# Altium PCB Watch Max.PcbDoc
Units mil, origin at the board's own origin, x right, y up, seen from the top; angles counter-clockwise.
Board outline 1130 x 1625 mil, 2 copper layers (Top Layer, Bottom Layer); 74 components, 52 nets, 317 pads, 82 vias.
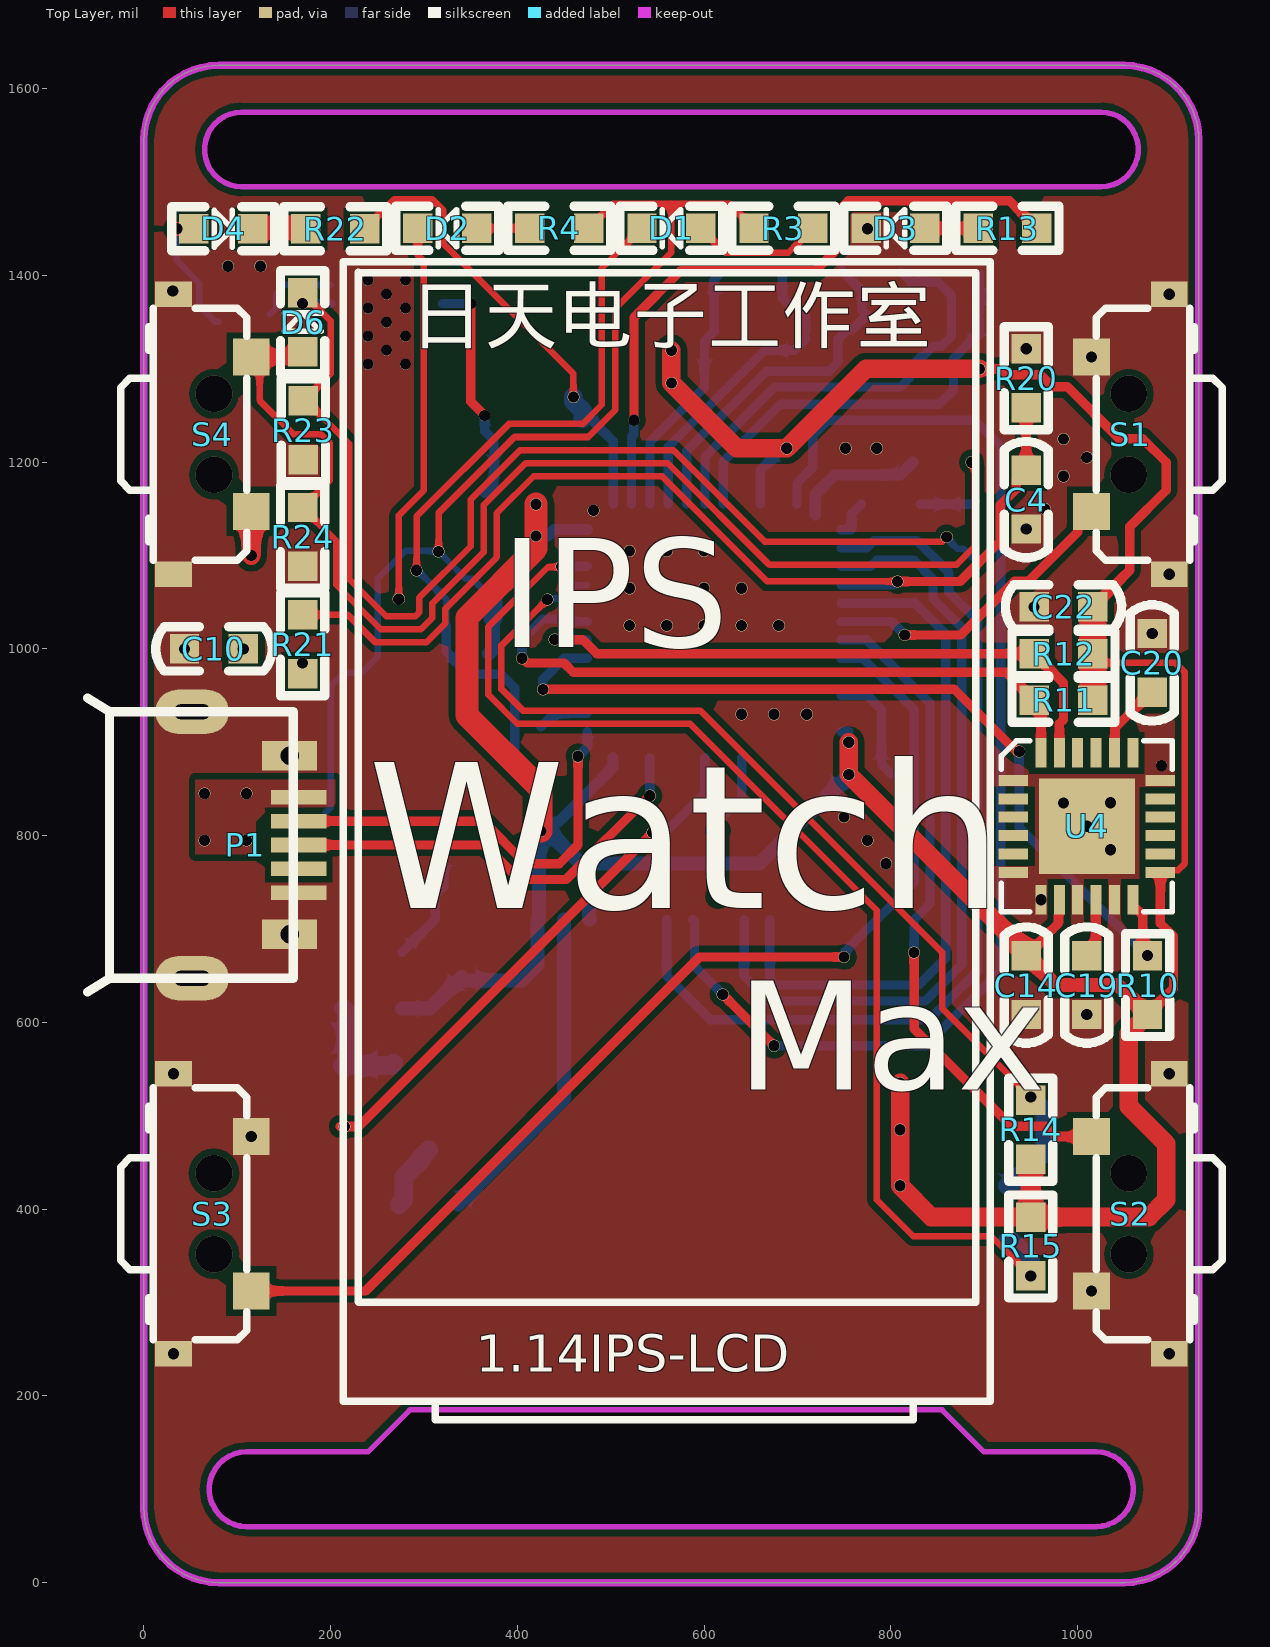
[diagram p0: Top Layer view]
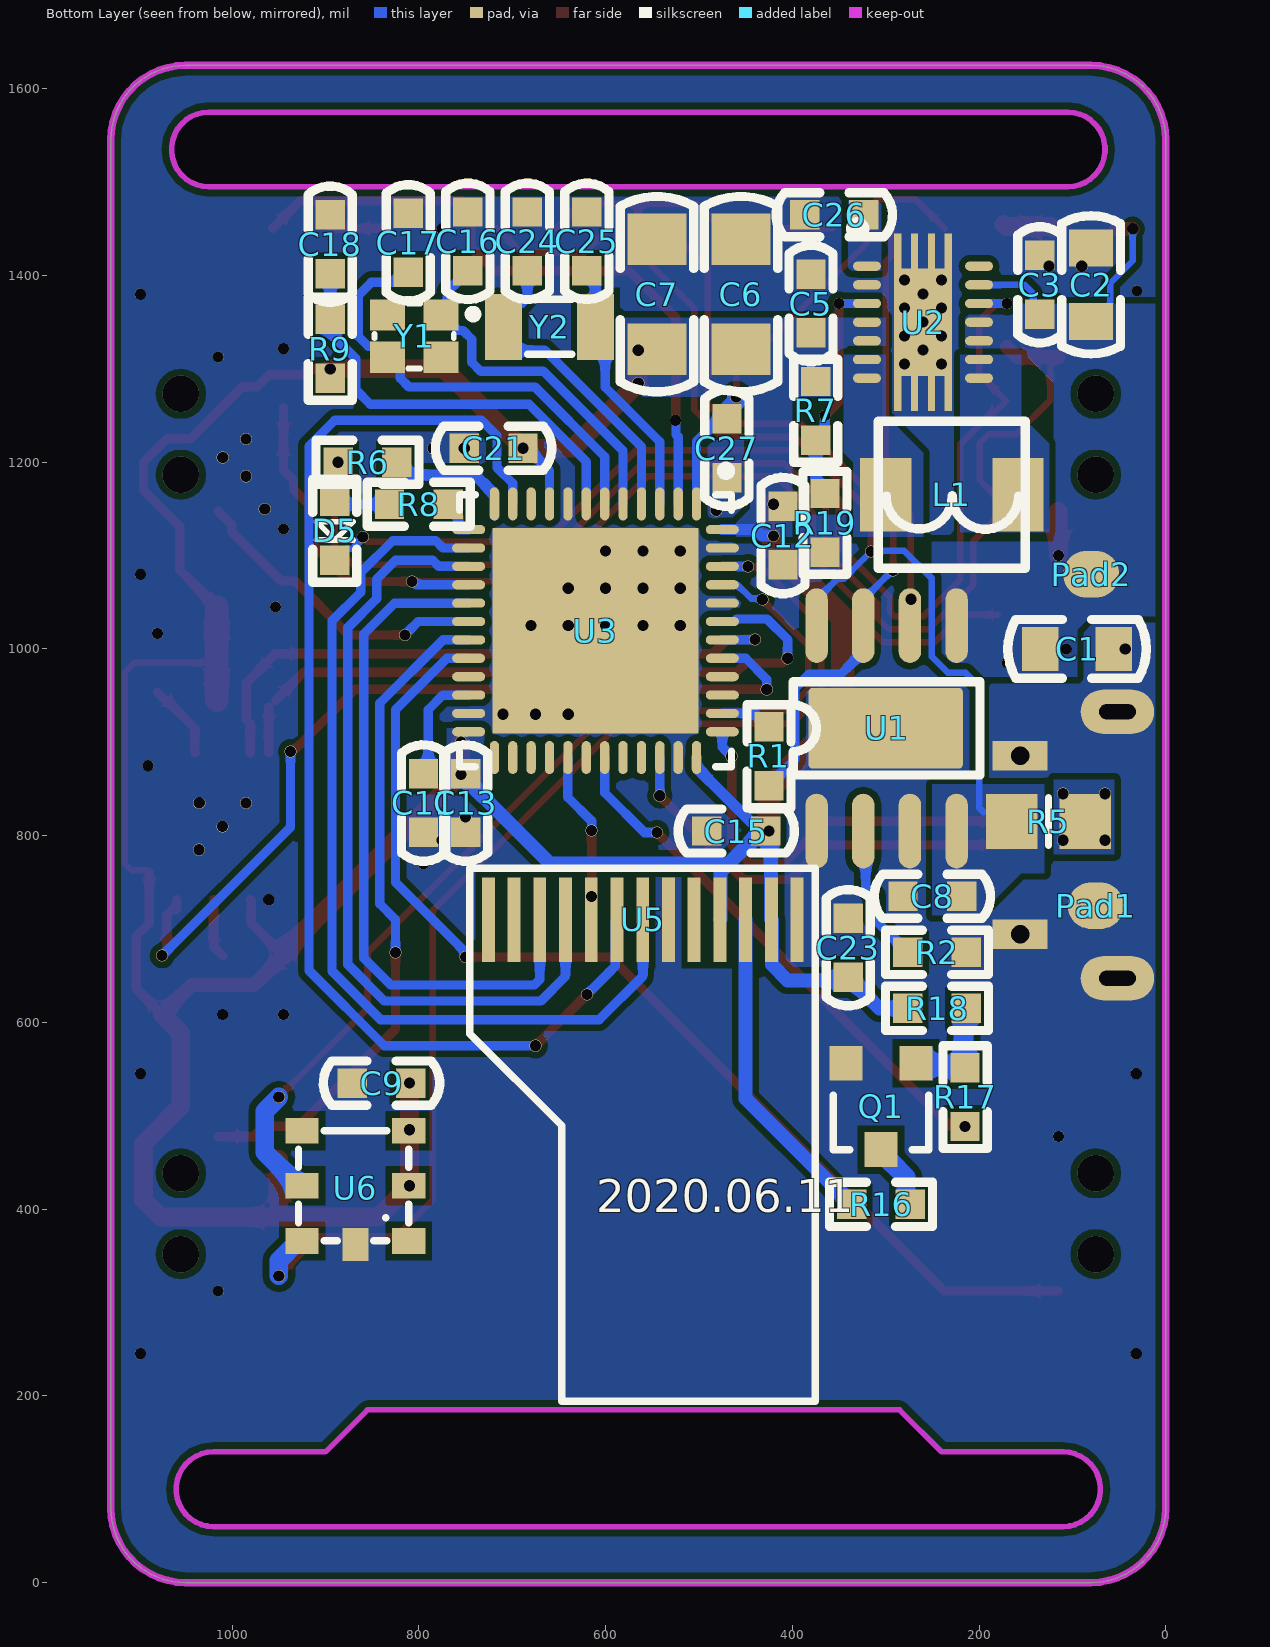
[diagram p1: Bottom Layer view, seen from below]
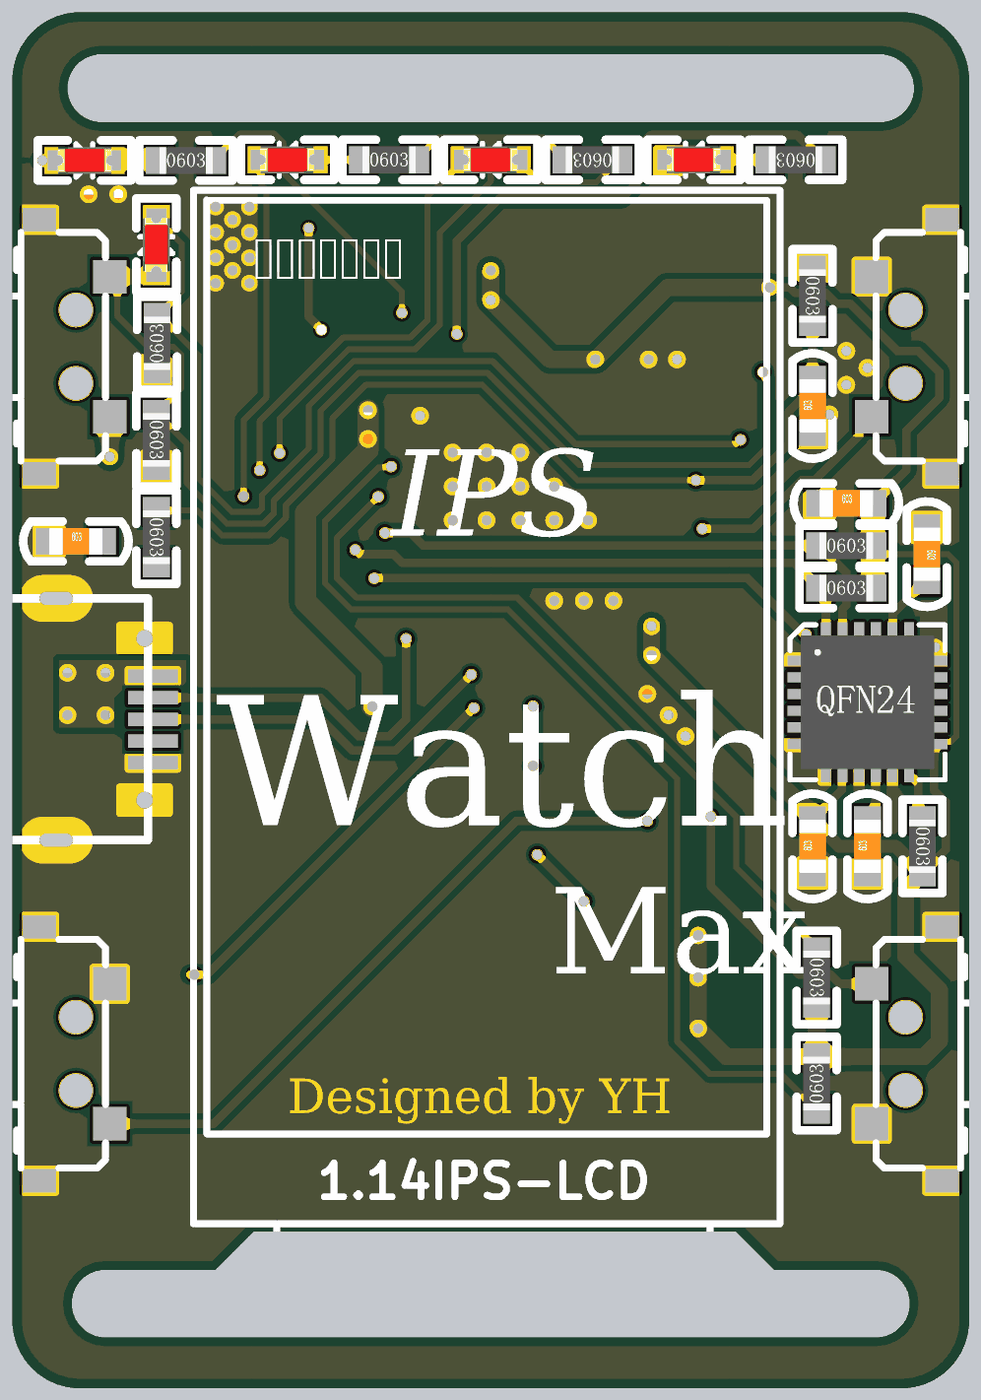
[diagram p2: 3D render of the assembled board from above, using the file's embedded part models]
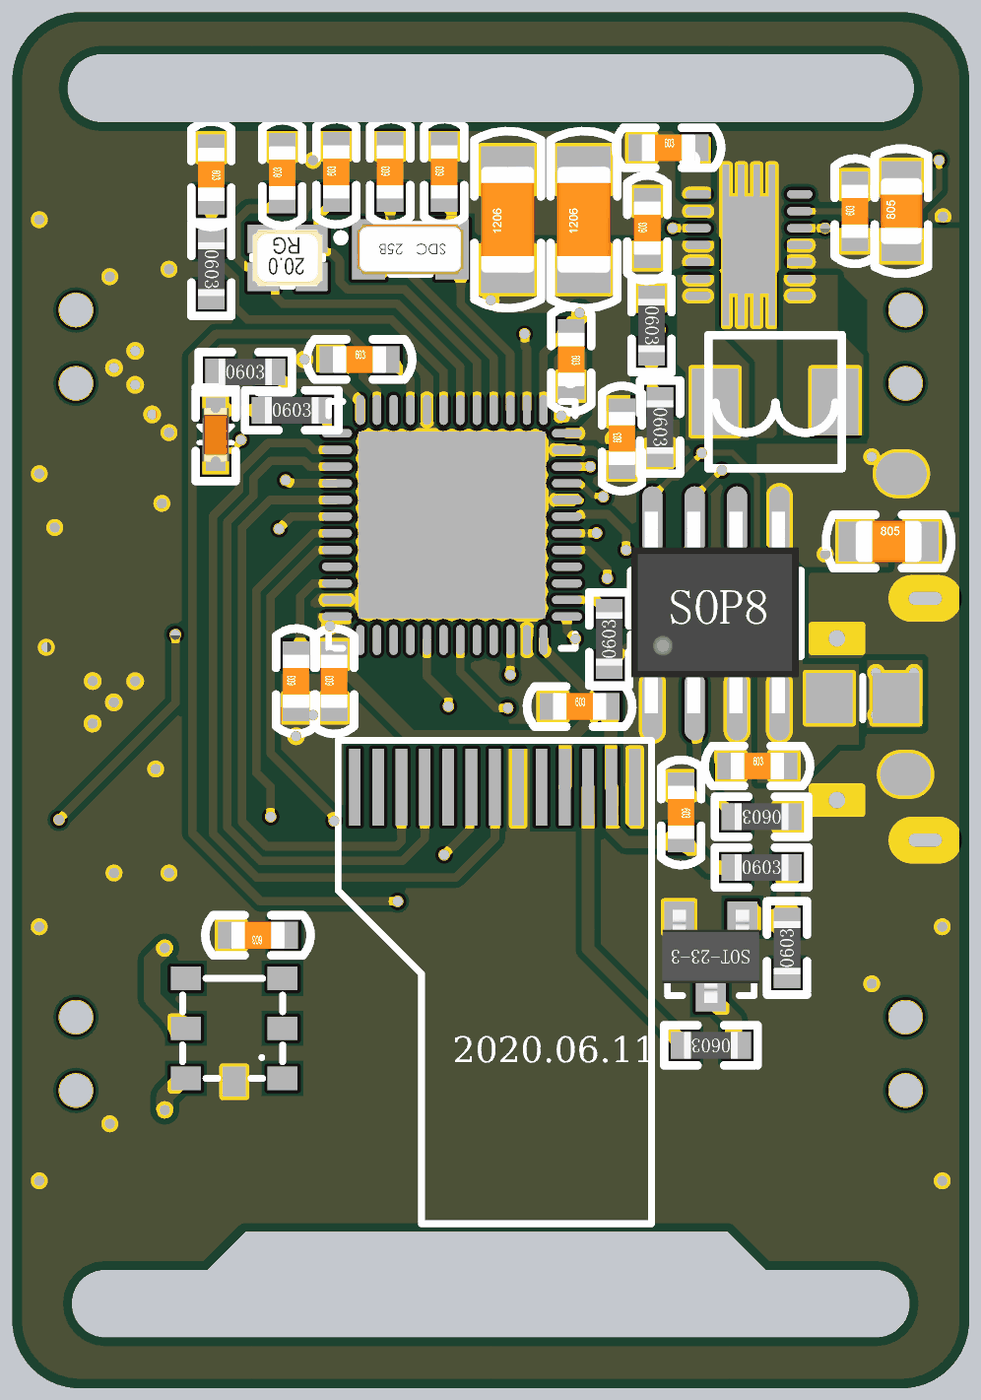
[diagram p3: 3D render of the assembled board from below, using the file's embedded part models]

## Layer stack, top to bottom
Top Solder: solder mask 0.4, Solder Resist, Dk 3.5
Top Layer: signal copper 1.4
Dielectric 1: dielectric 12.6, FR-4, Dk 4.8
Bottom Layer: signal copper 1.4
Bottom Solder: solder mask 0.4, Solder Resist, Dk 3.5

## Board outline
80,0 cw(c80,80) 0,80 0,1545 cw(c80,1545) 80,1625 1050,1625 cw(c1050,1545) 1130,1545 1130,80 cw(c1050,80) 1050,0
cut-out: 110,60 cw(c110,100) 110,140 240,140 285,185 855,185 900,140 1020,140 cw(c1020,100) 1020,60
cut-out: 105,1495.27 1025,1495.27 ccw(c1025,1535.27) 1025,1575.27 105,1575.27 ccw(c105,1535.27)

## Design rules (kind name [scope] priority, off if disabled: settings)
Clearance [All] p1: gap=7 ignorepadtopadclearanceinfootprint=FALSE except(0: Arc-Hole Track-Hole SMDPad-Hole THPad-Hole Via-Hole Fill-Hole Poly-Hole Region-Hole Text-Hole)
HoleSize [All] p1: absolutevalues=TRUE maxlimit=200 minlimit=12 maxpercent=80.000 minpercent=20.000
HoleToHoleClearance [All] p1: gap=12 allowstackedmicrovias=TRUE
MinimumSolderMaskSliver [All] p1: minsoldermaskwidth=12
PlaneConnect [All] p1: planeconnectstyle=Direct reliefexpansion=20 reliefentries=4 reliefconductorwidth=10 reliefairgap=10
PolygonConnect [All] p1: connectstyle=Direct reliefconductorwidth=10 reliefentries=4 polygonreliefangle="90 Angle" airgapwidth=10
RoutingVias [All] p1: holewidth=12 width=13 viastyle="Through Hole" minholewidth=12 minwidth=12 maxholewidth=200 maxwidth=200
SolderMaskExpansion [All] p1: expansion=4 istentingtop=FALSE
Width [All] p1: maxlimit=100 minlimit=7 preferedwidth=10
26 further rules are at their usual default settings.

## Components (designator, comment, footprint, x,y, rotation, side; value= is the part's Value field where it differs from the comment)
C1 "106" 电容_C0805 95,1000 r180 bottom
C2 "106" 电容_C0805 80,1390 r90 bottom
C3 "106" 电容_C0603 135,1390 r90 bottom
C4 "104" 电容_C0603 945,1160 r90 top
C5 "106" 电容_C0603 380,1370 r90 bottom
C6 "22uf" 电容_C1206 455,1380 r90 bottom
C7 "22uf" 电容_C1206 545,1380 r90 bottom
C8 "10uf" 电容_C0603 250,735 r180 bottom
C9 "104" 电容_C0603 840,535 r0 bottom
C10 "10uf" 电容_C0603 75,1000 r0 top
C11 "4.7uF" 电容_C0603 795,835 r90 bottom
C12 "1uF" 电容_C0603 410,1121.5 r90 bottom
C13 "1uF" 电容_C0603 750,835 r90 bottom
C14 "1uF" 电容_C0603 945,640 r90 top
C15 "1uF" 电容_C0603 460,805 r180 bottom
C16 "22pf" 电容_C0603 747.5,1436.5 r90 bottom
C17 "22pf" 电容_C0603 811.25,1435 r90 bottom
C18 "104" 电容_C0603 895,1433.5 r270 bottom
C19 "104" 电容_C0603 1010,640 r90 top
C20 "2.2nF" 电容_C0603 1080,985 r270 top
C21 "4.7uf" 电容_C0603 720,1215 r180 bottom
C22 "104" 电容_C0603 985,1045 r0 top
C23 "105" 电容_C0603 340,680 r270 bottom
C24 "22pf" 电容_C0603 683.75,1436.5 r90 bottom
C25 "22pf" 电容_C0603 620,1436.5 r90 bottom
C26 "104" 电容_C0603 355,1465 r180 bottom
C27 "104" 电容_C0603 470,1215 r270 bottom
D1 "red" LED_0603 565,1450.68 r180 top
D2 "green" LED_0603 325,1450.68 r180 top
D3 "red" LED_0603 805,1450.68 r180 top
D4 "1n4148" LED_0603 85,1450 r0 top
D5 "1n4148" LED_0603 890,1126.5 r270 bottom
D6 "1n4148" LED_0603 170,1350 r90 top
L1 "1.5uH" 变压器电感_0420 229.13,1165 r90 bottom
P1 "MICRO USB" "接插件_MICRO 牛角插座 USB 卷边" 160,790 r90 top
Pad1 "GND" Pad_A 75,725 r180 bottom
Pad2 "BAT" Pad_A 80,1080 r0 bottom
Q1 "S8050" 三极管_SOT-23 305,510 r0 bottom
R1 "2k" 电阻_R0603 425,885 r90 bottom
R2 "2k" 电阻_R0603 245,675 r0 bottom
R3 "2k" 电阻_R0603 685,1450.68 r180 top
R4 "2k" 电阻_R0603 445,1450.68 r0 top
R5 "2k" 6-0805_M 125.63,815 r180 bottom
R6 "20K" 电阻_R0603 855,1200 r180 bottom
R7 "1M" 电阻_R0603 375,1255 r270 bottom
R8 "4.7K" 电阻_R0603 800,1155 r180 bottom
R9 "47K" 电阻_R0603 895,1321.5 r270 bottom
R10 "10K" 电阻_R0603 1075,640 r270 top
R11 "10K" 电阻_R0603 985,945 r0 top
R12 "10K" 电阻_R0603 985,995 r0 top
R13 "1K" 电阻_R0603 925,1450.68 r180 top
R14 "4.7K" 电阻_R0603 950,485 r270 top
R15 "4.7K" 电阻_R0603 950,360 r90 top
R16 "10R" 电阻_R0603 305,405 r0 bottom
R17 "1K" 电阻_R0603 215,520 r90 bottom
R18 "20K" 电阻_R0603 245,615 r180 bottom
R19 "180K" 电阻_R0603 365,1135 r270 bottom
R20 "20k" 电阻_R0603 945,1290 r270 top
R21 "20k" 电阻_R0603 170,1005 r270 top
R22 "2k" 电阻_R0603 205,1450 r0 top
R23 "1M" 电阻_R0603 170.84,1234.16 r90 top
R24 "20K" 电阻_R0603 170,1120 r270 top
S1 "SW-PB" 侧面按键3*6*3.5#1 1055,1230 r270 top
S2 "SW-PB" 侧面按键3*6*3.5#2 1055,395 r90 top
S3 "SW-PB" 侧面按键3*6*3.5#2 75,395 r270 top
S4 "SW-PB" 侧面按键3*6*3.5#1 75,1230 r90 top
U1 "TP4056" SOP-8_PAD 300,915 r90 bottom
U2 "TPS63020" TPS63020 260,1350 r270 bottom
U3 "STM32F401CCU6" STM-UFQFPN48_N 610.83,1019.53 r270 bottom locked
U4 "MPU-6050" 陀螺仪_QFN24 1010,810 r0 top
U5 "IPS-LCD" 1.14IPS-LCD -116.93,446.22 r270 top locked
U6 "BMP180" LGA-7 1007.68,326.57 r270 bottom
Y1 "XTAL" 晶振_2016 805,1335 r0 bottom
Y2 "32.768K" 晶振_3215 660,1345 r0 bottom

## Footprints (in the part's own frame and the unit in brackets; to place one, negate y for a bottom-side part, rotate by r counter-clockwise, add the part's x,y. Pads: shape width x height; smd on the part's side, far side on the other; paste and mask are expansions set on the pad)
1.14IPS-LCD [mm] "1.14寸IPS-LCD裸屏SPI接口"
  rect 2.3x0.35 smd far side: 1(-6.7,21.4) 2(-6.7,20.7) 3(-6.7,20) 4(-6.7,19.3) 5(-6.7,18.6) 6(-6.7,17.9) 7(-6.7,17.2) 8(-6.7,16.5) 9(-6.7,15.8) 10(-6.7,15.1) 11(-6.7,14.4) 12(-6.7,13.7) 13(-6.7,13)
  silkscreen extent -24.6,8.4 6.9,26
6-0805_M [mm] "Chip Resistor, Body 2.0x1.2mm, IPC Low Density"
  rect 1.4x1.5 smd: 1(-1,0) 2(1,0)
  silkscreen extent 0,-0.65 0,0.65, body extent -1.07,-0.7 1.07,0.7, height 0.7
LED_0603 [mm]
  rect 0.8x0.8 smd paste-0.1: A(-0.8,0) K(0.8,0)
  silkscreen extent -1.4,-0.6 1.4,0.6, body extent -0.8,-0.4 0.82,0.4, height 0.6
LGA-7 [mm] "LGA-7Pin"
  rect 0.7x0.9 smd: 1(-1,5) 2(-2.5,5) 3(-4,5) 4(-4,2.1) 5(-2.5,2.1) 6(-1,2.1)
  rect 0.9x0.7 smd: 7(-0.9,3.55)
  silkscreen extent -4,2 -1,5
Pad_A [mil]
  oval 60x50 smd: 1(0,0)
SOP-8_PAD [mil]
  oval 80x24 smd: 1(-110,74) 2(-110,24) 3(-110,-26) 4(-110,-76) 5(110,-76) 6(110,-26) 7(110,24) 8(110,74)
  rrect10% 86.61x165.35 smd: 3(0,0)
  silkscreen extent -50,-101 50,99, body extent -118,-99 120,99, height 63
STM-UFQFPN48_N [mm] "QFN, 48-Leads, Body 7.1x7.1mm, Pitch 0.5mm, Thermal Pad 5.6x5.6mm, IPC Medium Density"
  oval 0.9x0.25 smd: 1(-3.45,2.75) 2(-3.45,2.25) 3(-3.45,1.75) 4(-3.45,1.25) 5(-3.45,0.75) 6(-3.45,0.25) 7(-3.45,-0.25) 8(-3.45,-0.75) 9(-3.45,-1.25) 10(-3.45,-1.75) 11(-3.45,-2.25) 12(-3.45,-2.75) 25(3.45,-2.75) 26(3.45,-2.25) 27(3.45,-1.75) 28(3.45,-1.25) 29(3.45,-0.75) 30(3.45,-0.25) 31(3.45,0.25) 32(3.45,0.75) 33(3.45,1.25) 34(3.45,1.75) 35(3.45,2.25) 36(3.45,2.75)
  oval 0.25x0.9 smd: 13(-2.75,-3.45) 14(-2.25,-3.45) 15(-1.75,-3.45) 16(-1.25,-3.45) 17(-0.75,-3.45) 18(-0.25,-3.45) 19(0.25,-3.45) 20(0.75,-3.45) 21(1.25,-3.45) 22(1.75,-3.45) 23(2.25,-3.45) 24(2.75,-3.45) 37(2.75,3.45) 38(2.25,3.45) 39(1.75,3.45) 40(1.25,3.45) 41(0.75,3.45) 42(0.25,3.45) 43(-0.25,3.45) 44(-0.75,3.45) 45(-1.25,3.45) 46(-1.75,3.45) 47(-2.25,3.45) 48(-2.75,3.45)
  rect 5.6x5.6 smd: 49(0,0)
  silkscreen extent -4.47,-3.7 3.7,3.7, body extent -3.55,-3.55 3.55,3.55, height 0.6
TPS63020 [mil] "High Efficiency Single Inductor Buck-Boost Converter With 4-A Switches"
  oval 10x30 smd: 1(-60,-60) 2(-40,-60) 3(-20,-60) 4(0,-60) 5(20,-60) 6(40,-60) 7(60,-60) 8(60,60) 9(40,60) 10(20,60) 11(0,60) 12(-20,60) 13(-40,60) 14(-60,60)
  rect 50x7.87 smd: 15(-70,-27.17) 15(-70,-9.06) 15(-70,9.06) 15(-70,27.17) 15(70,-27.17) 15(70,-9.06) 15(70,9.06) 15(70,27.17)
  round 11.81 hole 11.81: 15(-45,-20) 15(-45,20) 15(-30,0) 15(-15,-20) 15(-15,20) 15(0,0) 15(15,-20) 15(15,20) 15(30,0) 15(45,-20) 15(45,20)
  rect 115x62.2 smd: 15(0,0)
  silkscreen extent -105,-75 -95,-65, body extent -85,-65 85,65, height 30
三极管_SOT-23 [mm]
  rect 0.9x0.95 smd: 1(-0.95,-1.175) 2(0,1.175) 3(0.95,-1.175)
  silkscreen extent -1.3,-0.3 1.3,1.18, body extent -1.45,-1.4 1.45,1.4, height 1.2
侧面按键3*6*3.5#1 [mm] "白色3*6*3.5"
  rect 1x1 smd: 1(-2.1,-1.016) 2(2.1,-1.016)
  rect 0.7x1 smd: 4(-3.81,1.1) 5(3.81,1.1)
  silkscreen extent -3.43,-0.89 3.43,2.54, body extent -3.43,-0.89 3.43,1.65, height 4
侧面按键3*6*3.5#2 [mm] "白色3*6*3.5"
  rect 1x1 smd: 1(-2.1,1.016) 2(2.1,1.016)
  rect 0.7x1 smd: 4(-3.81,-1.1) 5(3.81,-1.1)
  silkscreen extent -3.43,-2.54 3.43,0.89, body extent -3.43,-1.65 3.43,0.89, height 4
变压器电感_0420 [mm]
  rect 2x1.4 smd: 1(0,-1.8) 2(0,1.8)
  silkscreen extent -2,-2 2,2
"接插件_MICRO 牛角插座 USB 卷边" [mm]
  oval 1.2x2 hole 0.4 slot 1 at 90 deg: 0(-3.625,2.75) 0(3.625,2.75)
  rect 0.8x1.5 hole 0.5: 0(-2.425,0.1) 0(2.425,0.1)
  rect 0.4x1.5 smd: 1(1.3,-0.15) 2(0.65,-0.15) 3(0,-0.15) 4(-0.65,-0.15) 5(-1.3,-0.15)
  silkscreen extent -4,0 4,5.6
晶振_2016 [mm]
  rect 0.95x0.85 smd: 0(-0.725,0.575) 0(0.725,-0.575) 1(-0.725,-0.575) 2(0.725,0.575)
  silkscreen extent -1.7,-0.88 1.08,0.88, body extent -1.05,-0.85 1.05,0.85, height 0.56
晶振_3215 [mm] "XTAL SMD 3.2 x 1.5 mm"
  rect 1x1.8 smd: 1(-1.25,0) 2(1.25,0)
  silkscreen extent -0.6,-0.75 0.6,0.75, body extent -1.6,-0.75 1.6,0.75, height 0.81
电容_C0603 [mm]
  rect 0.8x0.8 smd: 1(-0.8,0) 2(0.8,0)
  silkscreen extent -1.58,-0.6 1.58,0.6, body extent -0.8,-0.4 0.8,0.4, height 0.3
电容_C0805 [mm]
  rect 1x1.2 smd: 1(-1,0) 2(1,0)
  silkscreen extent -1.88,-0.8 1.88,0.8, body extent -1,-0.62 1,0.63, height 0.77
电容_C1206 [mm]
  rect 1.4x1.6 smd: 1(-1.5,0) 2(1.5,0)
  silkscreen extent -2.66,-1 2.66,1, body extent -1.6,-0.8 1.6,0.8, height 1
电阻_R0603 [mm]
  rect 0.8x0.8 smd: 1(-0.8,0) 2(0.8,0)
  silkscreen extent -1.4,-0.6 1.4,0.6, body extent -0.8,-0.4 0.8,0.4, height 0.45
陀螺仪_QFN24 [mm]
  rect 2.6x2.6 smd: 0(0.005,0)
  rect 0.8x0.3 smd: 1(-2,1.25) 2(-2,0.75) 3(-2,0.25) 4(-2,-0.25) 5(-2,-0.75) 6(-2,-1.25) 13(2,-1.25) 14(2,-0.75) 15(2,-0.25) 16(2,0.25) 17(2,0.75) 18(2,1.25)
  rect 0.3x0.8 smd: 7(-1.25,-2) 8(-0.75,-2) 9(-0.25,-2) 10(0.25,-2) 11(0.75,-2) 12(1.25,-2) 19(1.25,2) 20(0.75,2) 21(0.25,2) 22(-0.25,2) 23(-0.75,2) 24(-1.25,2)
  silkscreen extent -2.32,-2.32 2.32,2.32, body extent -2,-2 2.01,2, height 0.9

## Part data
C1 C2 C3 C4 C5 C6 C7 C8 C9 C10 C11 C12 C13 C14 C15 C16 C17 C18 C19 C20 C21 C22 C23 C24 C25 C26 C27: library part cap, U=50V, 参数=Cap,0805,X7R,104K,50V,125C,±10%
  C1 C2 C3 C5: C=106
  C4 C9 C18 C19 C22 C26 C27: C=104
  C6 C7: C=22uf
  C8 C10: C=10uf
  C11: C=4.7uF
  C12 C13 C14 C15: C=1uF
  C16 C17 C24 C25: C=22pf
  C20: C=2.2nF
  C21: C=4.7uf
  C23: C=105
D1 D2 D3: library part LED, 参数=LED,0603,Red
D4 D5 D6: library part Diode, "Default Diode", Code_JEDEC=DO-214-AB, LatestRevisionDate=17-Jul-2002, LatestRevisionNote="Re-released for DXP Platform.", PackageDescription="DO-214-AB/SMC; 2 C-Bend Leads; Body 7.9 x 5.9 mm, inc. leads (LxW)", PackageReference=SMC, PackageVersion=Sep-1996, Published=8-Jun-2000, Publisher="Altium Limited"
L1: library part "Inductor Iron 2", _Current=10A, _Accuracy=20%, _Comma=,, _Footprint=1040, _Name=IND, _Specification=IND,1040,1.5uH,10A,20%, _Value=1.5uH
P1: library part "MICRO USB 5PIN", _Value=5PIN, _Comma=,, _Model="MICRO USB", _Name=Port, _Specification="Port,MICRO USB,5PIN"
Pad1 Pad2: library part Pad, _Comma=,, _Funcyusa=Test, _Name=Pad
  Pad1: _Remarks=GND, _Specification=Pad,Test,GND
  Pad2: _Remarks=BAT, _Specification=Pad,Test,BAT
Q1: library part Triode-NPN, _Current=500mA, _Voltage=40V, _Comma=,, _Footprint=SOT-23, _Model=S8050, _Name=Triode, _Polarity=NPN, _Specification=Triode,NPN,S8050,SOT-23,500mA,40V
R1 R2 R3 R4 R5 R6 R7 R8 R9 R10 R11 R12 R13 R14 R15 R19 R20 R21 R22 R23 R24: library part Res, P=1/8W, 参数=Res,0805,0R,±1%,1/8W,100ppm,155C
  R1 R2 R3: R=2k
  R4 R22: R=10k
  R5: R=0R
  R6 R24: R=20K
  R7 R23: R=1M
  R8 R14 R15: R=4.7K
  R9: R=47K
  R10 R11 R12: R=10K
  R13: R=1K
  R19: R=180K
  R20 R21: R=20k
R16 R17 R18: library part Res, _Power=1/8W, _Accuracy=1%, _Comma=,, _Drift=100ppm, _Footprint=0805, _Name=Res
  R16: _Specification=Res,0805,10R,1%,1/8W,100ppm, _Value=10R
  R17: _Specification=Res,0805,1K,1%,1/8W,100ppm, _Value=1K
  R18: _Specification=Res,0805,20K,1%,1/8W,100ppm, _Value=20K
S1 S2 S3 S4: "按键"
U3: "ARM Cortex-M4 32-bit MCU+FPU, 105 DMIPS, 256 kB Flash, 64 kB Internal RAM, 36 I/Os, 48-pin UFQFPN, -40 to 85 degC, Tray", I/Os (High Current)=36, Manufacturer=STMicroelectronics, Operating Frequency(F) (Processor speed) (MHz)=84, Supplier Part Number 1=19X6217, Supply Voltage(Vcc) max (V)=3.6, Supply Voltage(Vcc) min (V)=1.8, ComponentLink1Description="Manufacturer URL", ComponentLink1URL=http://www.st.com/web/en/home.html, ComponentLink2Description=Datasheet, ComponentLink2URL=http://www.st.com/st-web-ui/static/active/en/resource/technical/document/data_brief/DM00071938.pdf, ComponentLink3Description="Package Specification", ComponentLink3URL=http://www.st.com/st-web-ui/static/active/en/resource/technical/document/data_brief/DM00071938.pdf, Core="ARM Cortex-M4", DatasheetVersion="Rev. 1", FLASH Size (Prog) (kB)=256, Internal RAM Size (kB)=64, Mounting Technology="Surface Mount", PackageDescription="48-Pin Ultra Thin Fine Pitch Quad Flat No-Lead, 7 x 7 x 0.6 mm Body, 0.5 mm Pitch, Exposed Pad", PackageReference=UFQFPN48, PackageVersion="Rev. 1, 04/2013", Packing=Tray, PartNumber=STM32F401CCU6, Supplier 1=Newark, Supplier 2=Mouser, Supplier Part Number 2=511-STM32F401CCU6
U5: library part IPS-LCD-1.14, "IPS-LCD-1.14寸裸屏spi接口"
U6: "数字气压传感器"
Y2: library part XTAL_A, _Accuracy=10ppm, _CL=12pF, _Comma=,, _Frequency=32.768K, _Name=CRYSTALS, _Specification=CRYSTALS,32.768K,*,10ppm,12pF
U1: 参数="Charge Control,LP4056,ESOP-8"
Y1: F=25m

## Free pads (board coordinates)
  round 12 hole 12: 1(30.87,1383.46) 1(31.69,245) 1(31.69,545) 1(35.44,1450) 1(43.5,1000) 1(106.5,1000) 1(115,477.68) 1(115,1100) 1(170,985) 1(170,1370) 1(350,1370) 1(365,1250) 1(525,1245) 1(775,1450) 1(945,608.5) 1(945,1128.5) 1(945,1321.5) 1(953.5,1045) 1(960.79,731.26) 1(1010,608.5) 1(1015,312.32) 1(1015,1312.68) 1(1080,1016.5) 1(1090,875) 1(1098.31,245) 1(1098.31,545) 1(1098.31,1080) 1(1098.31,1380)

## Via types
v1: diameter 13, hole 12, Top Layer to Bottom Layer, 74 vias
v2: diameter 39.37, hole 39.37, Top Layer to Bottom Layer, 8 vias

## Nets (pads, with @x,y where several pads share a name; then routed paths per layer and width w, separated by ;. In a path a pad name is that pad's centre, name@x,y a point inside that pad or via, vN(x,y) a via of type N, cw(c..) or ccw(c..) an arc to the next point about the centre after c; other vN are vias at no path point)
3V3: C5.1 C6.1 C7.1 C9.1 C12.2 C13.2 C14.2 C15.2 C21.2 C22.2 C23.2 R7.1 R9.2 R10.2 R11.2 R12.2 R14.2 R15.2 R18.1 U2.4 U2.5 U3.9 U3.24 U3.36 U3.48 U4.8 U4.13 U5.10 U5.12 U6.2 U6.3 | length 4102.1
  Top Layer w7: R12.2 1026.5,985 1105,985 1114.99,975.01 1114.99,770.22 1107.96,763.19 1091.15,763.19 U4.13
  Top Layer w10: v1(895,1300) 918.03,1300 924.28,1293.75 960.29,1293.75 973.04,1280.99 989.01,1280.99 1045,1225 1070,1225 1095,1200 1095,1170 1056.12,1131.12 1056.12,1084.63 C22.2 ; C14.2 979.57,706.06 979.57,730.35 U4.8 ; R10.2 1102.75,636.25 1102.75,692.21 1088.74,706.22 U4.13
  Top Layer w15: C14.2 976.5,640 1043.5,640 R10.2
  Top Layer w20: v1(565,1320) v1(565,1285) 635,1215 v1(688.5,1215) 773.5,1300 v1(895,1300) ; v1(755,900) v1(755,865.51) 939.25,681.26 939.25,677.24 C14.2 ; v1(810,535) v1(810,485) v1(810,425) 843.5,391.5 R15.2 ; R14.2 R15.2 ; R10.2 1055,588.5 1055,510 1095,470 1095,410 1076.5,391.5 R15.2
  Top Layer w25: v1(420,1155) v1(420,1121) 420,1107.53 346,1033.53 346,929 425,850 v1(425,805) ; R11.2 1016.5,985 R12.2 C22.2
  Bottom Layer w10: U3.9 660.04,1191.04 674.5,1205.5 674.69,1205.5 C21.2@679.59,1210.41 ; U3.24 755.09,911.26 U3.24@755.17,911.18
  Bottom Layer w12: v1(420,1121) 420.19,1121.19 432.68,1121.19 439.28,1127.8 U3.48 ; C15.2 434.5,805 434.5,810.99 438.25,814.75 444.24,814.75 502.56,873.06 U3.36
  Bottom Layer w15: R18.1 306.5,615 C23.2 343.5,645 405,645 421.83,661.83 421.83,709.39 U5.12 423.05,710.61 C15.2@423.05,794.55 ; C15.2@438.16,800 463.41,774.75 464.16,774 476.95,761.21 476.95,710.61 U5.10 ; 468.16,770 659.49,770 v1(755,865.51)
BAT: C1.1 C2.1 C3.1 C10.2 D4.A Pad2.1 pad.1@35.44,1450 pad.1@106.5,1000 pad.1@115,1100 pad.1@170,985 R21.2 S4.1 U1.5 U2.10 U2.11 U2.13 | length 272.4
  Top Layer w15: pad.1@35.44,1450 D4.A
  Top Layer w20: pad.1@115,1100 S4.1
  Bottom Layer w7: pad.1@35.44,1450 35.44,1415.78 59.4,1391.82 59.4,1370.92 59.88,1370.44 59.88,1366.82 76.06,1350.63 C2.1 ; C3.1 142.01,1365.51 142.01,1380.65 151.36,1390 U2.13
BAT_CHG: R1.2 U3.38 | length 56
  Bottom Layer w10: R1.2 439.45,930.94 U3.38
BAT_DET: C4.2 R20.2 R21.1 U3.16 | length 1141.4
  Top Layer w7: R21.1@180,1036.5 218.5,1036.5 248,1007 302.5,1007 323,1027.5 323,1043.05 378,1098.05 378,1145.53 417.47,1185 555,1185 667.68,1072.32 v1(807.32,1072.32)
  Top Layer w10: v1(807.32,1072.32) 874.24,1072.32 917.25,1115.33 917.25,1154.14 934.25,1171.14 934.25,1180.75 C4.2 R20.2
  Bottom Layer w10: U3.16 802.93,1068.74 806.51,1072.32 v1(807.32,1072.32)
BMP180_SCL: R14.1 U3.45 U6.5 | length 1068.9
  Top Layer w7: v1(432.12,1052.88) 383,1003.76 383,957 406,934 596,934 855,675 855,615 v1(950,520)
  Bottom Layer w7: v1(432.12,1052.88) 433.27,1054.03 444.03,1054.03 458.2,1068.2 474.46,1068.2 U3.45
  Bottom Layer w20: U6.5 928.94,425 965,461.06 965,505 v1(950,520)
BMP180_SDA: R15.1 U3.46 U6.6 | length 1276.2
  Top Layer w7: v1(447.39,1088.43) 446.55,1087.58 432.58,1087.58 369,1024 369,951 400,920 585,920 785,720 785,410 824,371 907.51,371 v1(950,328.5)
  Bottom Layer w10: v1(447.39,1088.43) U3.46
  Bottom Layer w20: U6.6 928.94,365.94 950,344.88 v1(950,328.5)
CPOUT: C20.2 U4.20 | length 82.4
  Top Layer w10: U4.20 1040,889.21 1040,915 1067.76,942.76 1069.25,942.76 C20.2
EN: R6.2 U3.12 | length 140.7
  Bottom Layer w12: U3.12@719.09,1143.84 719.09,1165.99 721.25,1168.15 721.6,1168.15 731.25,1177.8 731.25,1177.92 739.59,1186.25 809.76,1186.25 R6.2
GND: C1.2 C2.2 C3.2 C4.1 C5.2 C6.2 C7.2 C8.1 C9.2 C10.1 C11.1 C12.1 C13.1 C14.1 C15.1 C16.2 C17.2 C18.1 C19.1 C20.1 C21.1 C22.1 C23.1 C24.2 C25.2 C26.1 C27.2 D3.K P1.0 P1.5 Pad1.1 pad.1@30.87,1383.46 pad.1@31.69,245 pad.1@31.69,545 pad.1@43.5,1000 pad.1@115,477.68 pad.1@775,1450 pad.1@945,608.5 pad.1@945,1128.5 pad.1@945,1321.5 pad.1@953.5,1045 pad.1@960.79,731.26 pad.1@1010,608.5 pad.1@1015,312.32 pad.1@1015,1312.68 pad.1@1080,1016.5 pad.1@1090,875 pad.1@1098.31,245 pad.1@1098.31,545 pad.1@1098.31,1080 pad.1@1098.31,1380 Q1.3 R2.1 R19.2 R20.1 R23.1 R24.2 S1.1 S1.4 S1.5 S2.1 S2.4 S2.5 S3.1 S3.4 S3.5 S4.4 S4.5 U1.1 U1.3 U2.2 U2.15 U3.8 U3.23 U3.35 U3.44 U3.47 U3.49 U4.0 U4.1 U4.6 U4.7 U4.9 U4.11 U4.18 U5.8 U5.13 U6.7
  other v1: 795,770 1035.36,784.99 775,795 1010.18,809.99 750,820 985,835 1035.19,835.18 640,930 675,930 710,930 520,1025 560,1025 600,1025 640,1025 680,1025 520,1065 560,1065 600,1065 640,1065 520,1105 560,1105 600,1105 481.54,1148.46 965,1150 985,1185 1010,1205 751.5,1215 785,1215 985,1225 90,1410 125,1410
KEY1: S1.2 U3.18 | length 333.4
  Top Layer w10: v1(815,1015) 875,1015 932.75,1072.75 947.75,1072.75 1000.31,1125.31 1000.31,1132.64 S1.2
  Bottom Layer w10: U3.18 800.63,1029.37 v1(815,1015)
KEY2: S2.2 U3.19 | length 717.1
  Top Layer w10: v1(825,675) 825,593.03 929.28,488.75 966.04,488.75 977.11,477.68 S2.2
  Bottom Layer w10: U3.19 774.15,1009.68 842,941.84 842,727 825,710 v1(825,675)
KEY3: S3.2 U3.20 | length 1180.2
  Top Layer w10: S3.2 237.32,312.32 595,670 v1(750,670)
  Bottom Layer w10: U3.20 746.73,989.92 769.87,989.92 825,934.8 825,750 750.57,675.57 750.57,670.57 v1(750,670)
LED: pad.1@525,1245 R13.1 U3.2 | length 719.6
  Top Layer w10: pad.1@525,1245 525,1355 575,1405 719.28,1405 744.24,1429.96 744.24,1469.89 754.35,1480 927.18,1480 R13.1
  Bottom Layer w10: U3.2 522.24,1227.24 524.62,1229.62 524.62,1244.62 pad.1@525,1245
MPU6050_INT: R10.1 U3.41 U4.12 | length 950
  Top Layer w10: v1(427.34,956.5) 427.76,956.92 868.08,956.92 935,890 v1(937.5,890) ; U4.12 1059.21,721.42 1060.12,720.51 1064.14,720.51 1070,714.65 1070,676.5 v1(1075,671.5)
  Bottom Layer w10: v1@427.36,956.52 427.36,967.34 449.94,989.92 474.92,989.92 U3.41 ; v1(937.5,890) 937.5,809 v1(1075,671.5)
MPU6050_SCL: R12.1 U3.42 U4.23 | length 676
  Top Layer w10: v1(440,1010) 470,1010 485,995 R12.1 985,963.5 985,924.51 980.47,919.98 U4.23
  Bottom Layer w10: v1(440,1010) 440.24,1009.76 474.92,1009.76 U3.42
MPU6050_SDA: R11.1 U3.43 U4.24 | length 716.4
  Top Layer w10: v1(405,990) 405.81,990 410.81,985 450,985 460,975 923.5,975 R11.1 ; U4.24 R11.1@960.79,937.72
  Bottom Layer w10: v1(405,990) 405,1010 427.13,1032.13 459.6,1032.13 462.36,1029.37 U3.43
NetC26_2: C26.2 U2.1
NetC27_1: C27.1 R22.2 U3.1 | length 500.4
  Top Layer w7: R22.2 268,1481.5 309.03,1481.5 320.39,1470.14 320.39,1434.61 460,1295 v1(460,1270)
  Bottom Layer w10: C27.1@470,1255 502.56,1222.44 U3.1
  Bottom Layer w20: v1(460,1270) 460,1265 470,1255 C27.1
NetD1_A: D1.A R3.1 | length 141.7
  Top Layer w7: D1.A 622.74,1424.44 690.25,1424.44 R3.1
NetD1_K: D1.K R1.1 U1.7 | length 819.1
  Top Layer w7: v1(292.1,1084.19) 292.1,1142.1 391,1241 470.04,1241 490.5,1261.46 490.5,1407.68 D1.K
  Bottom Layer w7: v1(292.1,1084.19) 292.81,1084.19 324,1053 U1.7
  Bottom Layer w10: U1.7 324,997 348,973 382.42,973 397.25,958.17 397.25,881.25 R1.1
NetD2_A: D2.A R4.1 | length 57
  Top Layer w7: D2.A R4.1
NetD2_K: D2.K U1.6 | length 411.2
  Top Layer w7: v1(273,1053.32) 273,1143 300,1170 300,1415 293.5,1421.5 D2.K
NetD3_A: D3.A R13.2 | length 57
  Top Layer w10: D3.A R13.2
NetD4_K: D4.K R22.1 | length 55.1
  Top Layer w20: D4.K@120.43,1450 122.93,1452.5 171,1452.5 R22.1@173.5,1455
NetD5_A: D5.A R8.1 | length 59.7
  Bottom Layer w10: R8.1 887.01,1155 D5.A
NetD5_K: D5.K D6.K pad.1@170,1370 R23.2 U2.12 | length 1231.5
  Top Layer w7: D6.K@170,1370 181.5,1370 200,1351.5 200,1294.81 R23.2 183.09,1253.41 186.24,1253.41 220,1219.65 220,1074.6 259.6,1035 290.9,1035 295,1039.1 295,1055 350,1110 350,1160 403,1213 567,1213 665,1115 855,1115 v1(860,1120)
  Bottom Layer w7: v1(860,1120) 860,1118.41 871.17,1107.25 877.75,1107.25 D5.K
  Bottom Layer w10: pad.1@170,1370 U2.12
NetD6_A: D6.A R6.1 R24.1 S4.2 | length 1343.7
  Top Layer w7: S4.2 123.94,1303.73 123.94,1266.21 160.15,1230 189.85,1230 199.29,1220.56 199.29,1180.79 171.75,1153.25 R24.1 206,1115.5 206,1068.8 253.8,1021 296.7,1021 309,1033.3 309,1048.85 364,1103.85 364,1154.2 408.8,1199 561.2,1199 670.2,1090 870,1090 890,1110 890,1194.87 886.5,1198.38 v1(886.5,1200)
  Top Layer w15: S4.2 159.17,1312.68 D6.A@170,1323.5
NetL1_1: L1.1 U2.8 U2.9
NetL1_2: L1.2 U2.6 U2.7
NetP1_1: P1.1 R5.2
  other v1: 65,795 110,795 65,845 110,845
NetQ1_1: Q1.1 R17.2 R18.2 | length 121.8
  Bottom Layer w20: R17.2@212.38,553.88 265.22,553.88 Q1.1 ; R18.2 216.75,611.75 216.75,553.25 R17.2
NetQ1_2: Q1.2 R16.1 | length 71.8
  Bottom Layer w20: R16.1 278.21,409.7 278.21,434.22 297.28,453.29 297.28,456.02 Q1.2
NetR2_2: R2.2 U1.2 | length 149.7
  Bottom Layer w10: R2.2 312.25,710.76 312.25,736.11 321.32,745.18 321.32,802.32 U1.2
NetR7_2: pad.1@350,1370 pad.1@365,1250 R7.2 R19.1 U2.3 | length 248.2
  Top Layer w10: pad.1@350,1370.19 350,1265 pad.1@365,1250
  Bottom Layer w10: U2.3 pad.1@350,1370 ; R19.1 375,1176.5 R7.2 365,1233.5 pad.1@365,1250
OSC32_IN: C25.1 U3.3 Y2.1 | length 282
  Bottom Layer w10: U3.3 542.01,1155.43 542.01,1222.01 600.42,1280.42 600.42,1329.64 610.79,1340 610.79,1395.79 C25.1
OSC32_OUT: C24.1 U3.4 Y2.2 | length 335.2
  Bottom Layer w10: U3.4 561.61,1216.61 665,1320 696.87,1320 Y2.2@709.21,1332.34 ; C24.1 683.75,1376.29 689.61,1370.43 694.53,1370.43 709.21,1355.75 Y2.2@709.21,1340
OSC_IN: C16.1 U3.5 Y1.1 | length 383.3
  Bottom Layer w10: U3.5 581.3,1212.26 666.61,1297.57 694.63,1297.57 713.47,1297.57 733.87,1297.57 743.33,1307.03 743.33,1331.64 752.79,1341.09 757.94,1341.09 774.49,1357.64 768.99,1363.14 768.99,1383.51 C16.1
OSC_OUT: C17.1 U3.6 Y1.2 | length 482.1
  Bottom Layer w10: U3.6 600.98,1205.98 675.57,1280.57 810.57,1280.57 819.84,1289.84 819.84,1300.63 831.57,1312.36 Y1.2 845.28,1324.09 854.09,1324.09 865,1335 865,1378.58 850.83,1392.76 822,1392.76 C17.1
Power_ON: R8.2 U3.13 | length 42.7
  Bottom Layer w10: U3.13 757.68,1127.8 757.76,1127.87 757.76,1144.25 R8.2
REGOUT: C19.2 U4.10 | length 63.8
  Top Layer w10: C19.2 1019.84,681.34 U4.10
RST: C18.2 R9.1 U3.7 | length 452.9
  Bottom Layer w10: U3.7 620.67,1200.67 682,1262 852,1262 867.25,1277.25 867.25,1310.72 895,1338.47 R9.1 ; R9.1@895,1360 C18.2
SWCLK: P1.2 U3.37 | length 451.7
  Top Layer w10: P1.2 363.45,815.59 409.04,770 445,770 465,790 v1(465,885)
  Bottom Layer w10: v1(465,885) 475,895 U3.37
SWDIO: P1.3 U3.34 | length 469.5
  Top Layer w10: P1.3 365,790 402,753 452.19,753 v1(541.93,842.74)
  Bottom Layer w10: v1(541.93,842.74) U3.34
TFT_BLK: R17.1 U3.31 | length 576.8
  Top Layer w10: v1@210,488.5 230.2,488.5 v1(545,803.3)
  Bottom Layer w10: v1(545,803.3) 558.3,803.3 600.91,845.91 600.91,883.62 U3.31
  other v1: 215,488.5
TFT_CS: U3.14 U5.7 | length 1006.9
  Bottom Layer w10: U5.7 560,709.76 560,649.72 606.72,603 841.08,603 893,654.92 893,1030.08 862.25,1060.83 862.25,1081.79 828.04,1116 781.96,1116 774.07,1108.11 U3.14
TFT_DC: U3.29 U5.5 | length 159.3
  Top Layer w10: v1(615,735) v1(615,805.41)
  Bottom Layer w10: v1(615,805.41) 615,815.81 640.43,841.24 640.43,883.62 U3.29
TFT_LEDK: R16.2 U5.11 | length 352
  Bottom Layer w15: R16.2 450,518.5 U5.11
TFT_RES: U3.11 U5.6 | length 1308.7
  Top Layer w10: v1(620,630) v1(675,575)
  Bottom Layer w10: U5.6 589.69,708.11 589.69,660.32 596.46,653.54 v1(620,630) ; v1(675,575) 837.12,575 917.75,655.62 917.75,1217.21 889.96,1245 733.03,1245 716.25,1228.22 716.25,1194.28 699.49,1177.52 699.49,1155.43 U3.11
TFT_SCL: U3.15 U5.4 | length 856
  Bottom Layer w10: U5.4 642.91,649.38 669.29,623 823.2,623 837.04,623 876,661.96 876,675.8 876,1023.04 845.25,1053.79 845.25,1074.75 825,1095 785,1095 778.43,1088.43 U3.15
TFT_SDA: U3.17 U5.3 | length 740.1
  Bottom Layer w10: U5.3 670.47,645.86 676.33,640 830,640 859,669 859,1016 826.02,1048.98 746.73,1048.98 U3.17
USB_VCC: C8.2 R3.2 R4.2 R5.1 U1.4 U1.8 | length 1214.5
  Top Layer w7: v1(315.65,1104.35) 315.65,1145.65 397,1227 475.84,1227 505,1256.16 505,1365 565,1425 565,1476.93 ; R4.2 502.74,1476.93 565,1476.93 ; R3.2 627.26,1476.93 565,1476.93
  Bottom Layer w7: 195,825 200,830 200,960 214.5,974.5 233.32,974.5 250.5,991.68 250.5,1075.5 280,1105 v1@315,1105 ; v1(315.65,1104.35) v1@315,1105 ; U1.8@374,1051.92 374,1053 351.95,1075.05 344.95,1075.05 325,1095 323,1097 v1@315,1105
  Bottom Layer w15: U1.8@369.84,995.28 374,999.44 U1.8
  Bottom Layer w20: U1.8@374,1033.45 U1.8@374,1051.92
VCAP_1: C11.2 U3.22 | length 122.5
  Bottom Layer w10: U3.22 U3.22 774.45,950.55 790,935 790,876.5 C11.2@800,866.5
pads on no net: P1.4 U2.14 U3.10 U3.21 U3.25 U3.26 U3.27 U3.28 U3.30 U3.32 U3.33 U3.39 U3.40 U4.2 U4.3 U4.4 U4.5 U4.14 U4.15 U4.16 U4.17 U4.19 U4.21 U4.22 U5.1 U5.2 U5.9 U6.1 U6.4 Y1.0
copper on no net:
  other v2: 75,351.69 1055,351.69 75,438.31 1055,438.31 75,1186.69 1055,1186.69 75,1273.31 1055,1273.31

## Polygon pours and split planes (outlines as drawn)
GND on Top Layer "GND_L01_P015" (solid, remove dead copper, pour order 15): 1130,0 1130,1625 0,1625 0,0
GND on Top Layer "GND_L01_P010" (solid, pour order 10): 225,1405 290,1405 290,1290 225,1290
NetP1_1 on Top Layer "NETP1_1_L01_P000" (solid, pour order 0): 55,860 55,780 120,780 120,815 135,830 205,830 205,860
GND on Bottom Layer "GND_L02_P013" (solid, remove dead copper, pour order 13): 0,0 0,1625 1130,1625 1130,0
3V3 on Bottom Layer "3V3_L02_P012" (solid, pour order 12): 730,915 730,850 770,850 770,915
3V3 on Bottom Layer "3V3_L02_P011" (solid, pour order 11): 400,1285 400,1120 450,1120 460,1120 460,1135 445,1150 445,1285
3V3 on Bottom Layer "3V3_L02_P009" (solid, pour order 9): 300,1355 300,1325 340,1325 355,1310 355,1270 560,1270 580,1290 580,1355
NetL1_2 on Bottom Layer "NETL1_2_L02_P008" (solid, pour order 8): 300,1315 300,1250 260,1210 260,1120 335,1120 335,1200 345,1210 345,1315
NetC26_2 on Bottom Layer "NETC26_2_L02_P006" (solid, pour order 6): 305,1480 305,1405 340,1405 340,1480
BAT on Bottom Layer "BAT_L02_P005" (solid, pour order 5): 5,1105 120,1105 120,1285 155,1320 215,1320 215,1355 210,1360 180,1360 170,1370 5,1370
NetL1_1 on Bottom Layer "NETL1_1_L02_P004" (solid, pour order 4): 220,1315 220,1125 125,1125 125,1220 155,1250 155,1315
BAT on Bottom Layer "BAT_L02_P003" (solid, pour order 3): 5,1115 5,1035 80.5,1035 95,1020.5 95,970 250.5,970 250.5,1115
NetP1_1 on Bottom Layer "NETP1_1_L02_P002" (solid, pour order 2): 55,860 55,780 120,780 120,860
USB_VCC on Bottom Layer "USB_VCC_L02_P001" (solid, pour order 1): 130,855 130,760 155,760 200,715 250,715 250,855

## Keep-outs
Keep-Out Layer:
  lines w6: 105,1495 cw(c105,1535) 105,1575 1025,1575 cw(c1025,1535) 1025,1495 105,1495 ; 110,60 cw(c110,100) 110,140 240,140 285,185 855,185 900,140 1020,140 cw(c1020,100) 1020,60 110,60
  lines w8: 0,80 ccw(c80,80) 80,0 1050,0 ccw(c1050,80) 1130,80 1130,1545 ccw(c1050,1545) 1050,1625 80,1625 ccw(c80,1545) 0,1545 0,80

## Silkscreen, mask and mechanical layers (free items; w line width, h text height)
Top Overlay:
  text "日天电子工作室" at 285,1310 h100
  text "IPS" at 381.57,963.76 h200
  text "Watch" at 240,665 h300
  text "Max" at 635,490 h200
Bottom Overlay:
  text "2020.06.11" at 610,385 h60
Top Solder:
  text "Designed by YH" at 325,325 h80

## Text inside footprints (layer, text, board x,y; h text height)
U5: Top Overlay "1.14IPS-LCD" at 355.51,225.75 h40